# Altium PCB CoinCraftA1.PcbDoc (part 3 of 7) (continued)
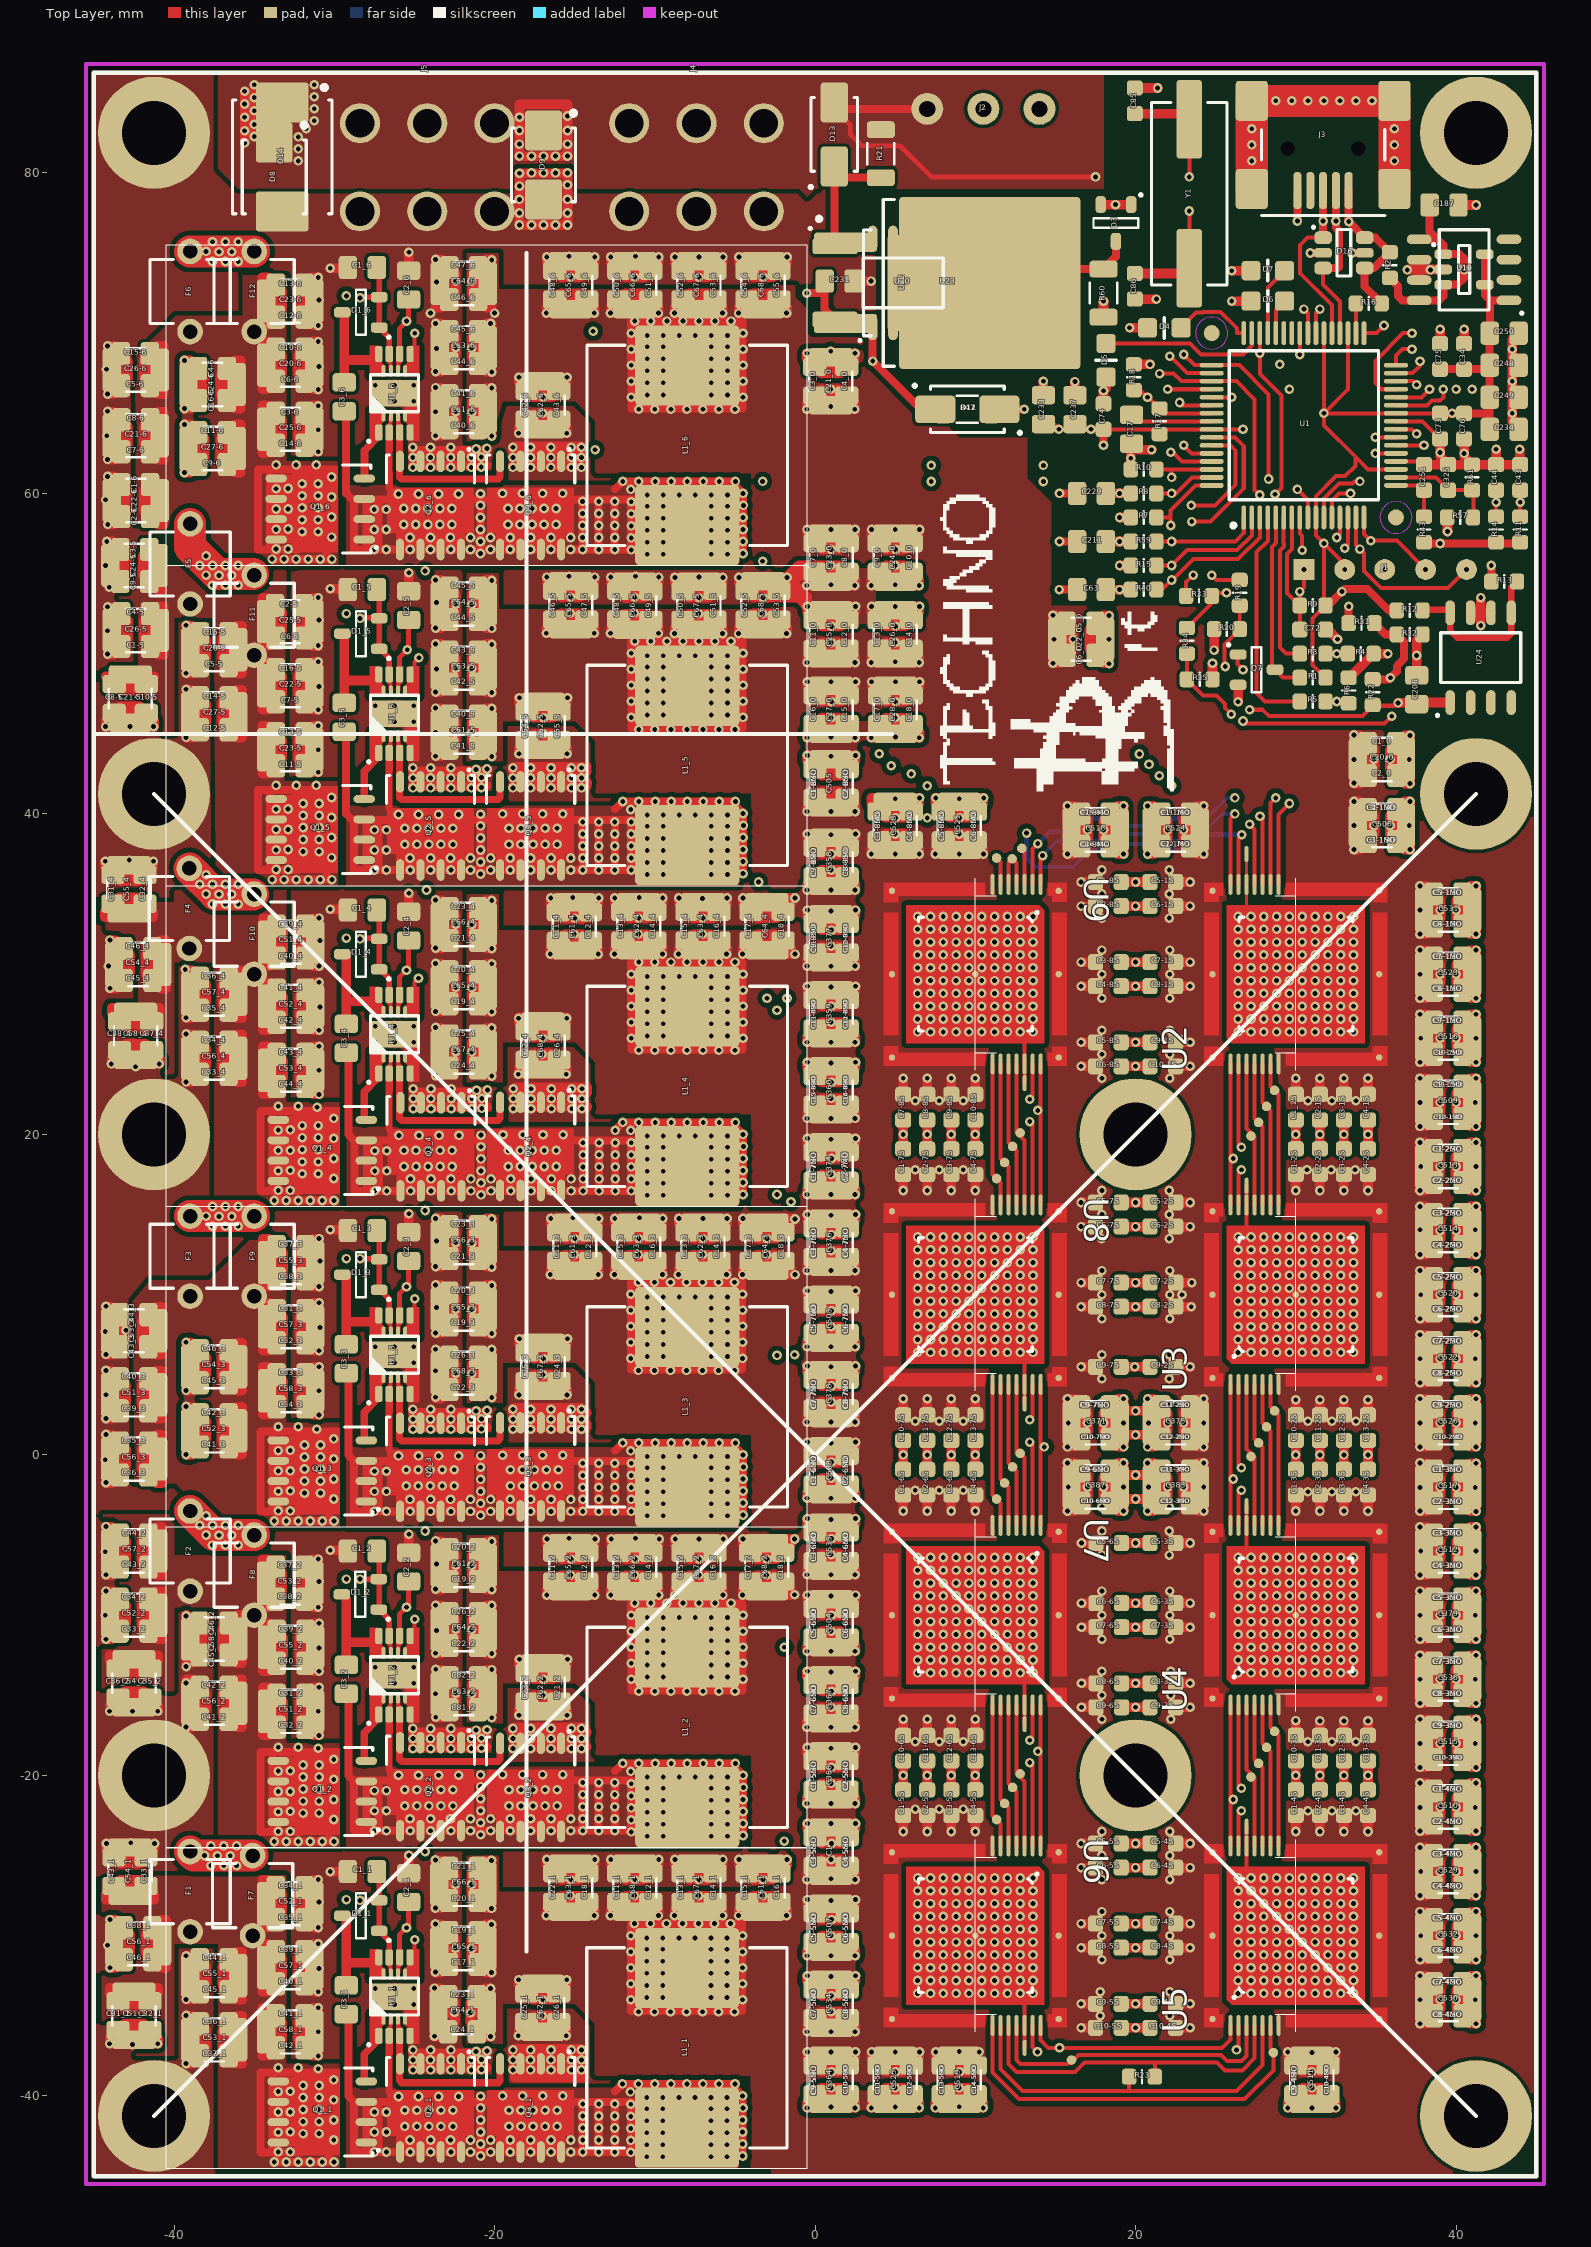
[diagram p0: Top Layer view]
## Nets (pads, with @x,y where several pads share a name; then routed paths per layer and width w, separated by ;. In a path a pad name is that pad's centre, name@x,y a point inside that pad or via, vN(x,y) a via of type N, cw(c..) or ccw(c..) an arc to the next point about the centre after c; other vN are vias at no path point) (continued)
1.8V: C206.2 R22.2 U2.2 U2.18 U3.2 U3.18 U4.2 U4.18 U5.2 U5.18 U6.2 U6.18 U7.2 U7.18 U8.2 U8.18 U9.2 U9.18 U24.1 | length 254.7
  Top Layer w0.25: U6.18@14.075,-35.6 14.075,-36.525 14.55,-37 25.4,-37 25.925,-36.475 U5.2@25.925,-35.6 ; U6.2@14.075,-24.4 U7.18@14.075,-15.6 ; U7.2@14.075,-4.4 U8.18@14.075,4.4 ; U8.2@14.075,15.6 U9.18@14.075,24.4 ; U9.2@14.075,35.6 v1@14.075,37.4 ; U5.18@25.925,-24.4 U4.2@25.925,-15.6 ; U4.18@25.925,-4.4 U3.2@25.925,4.4 ; U3.18@25.925,15.6 U2.2@25.925,24.4 ; U2.18@25.925,35.6 25.925,39.725 v1(26.2,40) ; 27.425,46.5 27.925,46.5 28.325,46.1 34.175,46.1 34.825,46.75 36.205,46.75 v1(36.381,46.925)
  Top Layer w0.6: v1(36.381,46.925) 37.463,46.925 C206.2@37.538,46.85 37.638,46.95 U24.1@39.633,46.95
  Mid-Top Layer w0.25: v1(13.9,-18.5) 15.2,-17.2 15.2,-4.7 13.575,-3.075 13.575,-0.202 14.152,0.375 v1@14.4,0.375 ; v1(13.9,21.5) 15.1,22.7 15.1,36.5 v1(14.2,37.4) ; v1(26.1,-1.5) 25.975,-1.375 25.975,-0.541 26.1,-0.416 26.1,3.7 24.8,5 24.8,15 26.8,17 27.25,17.45 27.25,18.05 26.8,18.5 v1(26.1,18.5) ; v1(26.2,40) 27,40.8 27,45.216 27.325,45.541 v1@27.325,46.4
  Mid-Bottom Layer w0.25: v1(13.9,-18.5) 15.4,-20 15.4,-36.85 v1(15.25,-37) ; v1(13.9,21.5) 15.8,19.6 15.8,4.7 14.9,3.8 14.9,1.1 14.4,0.6 v1@14.4,0.375 ; v1(26.1,-21.5) 26.9,-21.5 27.25,-21.15 27.25,-20.35 25.3,-18.4 25.3,-5.025 25.975,-4.35 25.975,-1.625 v1(26.1,-1.5) ; v1(26.1,18.5) 26.8,18.5 27.294,18.994 27.294,19.806 24.8,22.3 24.8,35.6 25.8,36.6 25.8,39.6 v1(26.2,40)
  Bottom Layer w0.25: v1(14.2,37.4) 15.1,38.3 18.35,38.3 18.801,38.751 21.174,38.751 21.625,38.3 ; 22.4,38.3 21.625,38.3 ; v1(26.2,40) 25.4,40 24.65,39.25 24.149,39.25 23.199,38.3 21.625,38.3
  other v1: 14.3,0.5 27.112,46.5
3.3V: C34.1 C63.1 C73.1 C74.1 C75.1 C76.1 C211.1 C229.1 C233.1 C234.1 C237.1 C248.1 C249.1 C250.1 J1.2 R1.2 R9.2 R12.1 R17.1 U1.10 U1.19 U1.26 U1.35 U1.38 U1.57 U18.4 U18.5 U19.1 | length 129.8
  Top Layer w0.25: C233.1@14.6,64 14.25,64.35 14.865,64.35 v1(15.215,64) v1(17.215,64) ; C237.1@16.1,64 v1(17.215,64) ; v1(26.7,64) U1.57@24.75,64 C74.1@18,64 v1(17.215,64) ; U1.38@31.75,70 v1(31.75,65) ; R1.2@31.85,48.5 31.05,49.3 31.05,52.2 R9.2@31.85,53 31.75,53.1 v1(31.75,56.884) ; v1(33.05,55.25) 33.05,55.584 v1(31.75,56.884) ; U1.35@33.25,70 33.25,66.5 v1(31.75,65) ; U1.19@36.25,61.5 34.5,61.5 33.713,62.287 ; C73.1@39,65 U1.26@36.25,65 v1(31.75,65) ; v1(31.75,56.884) 31.25,57.384 U1.10@31.25,58.5 31.25,59.823 32.502,61.075 33.075,61.075 33.713,61.713 33.713,62.287 ; v1(31.75,65) 31.75,64.25 33.713,62.287
  Top Layer w0.5: v1(15.235,54) C63.1@16.35,54 ; v1(15.25,57) C211.1@16.35,57 ; v1@15.45,60 C229.1@16.35,60 C229.1@16.25,59.9 ; v1(18,63) C74.1@18,64 ; R9.2@32.106,53.256 R9.2@31.85,53 32,53 33.025,54.025 34.475,54.025 35.8,52.7 R12.1@36.3,52.7 ; C75.1@38.999,67.75 41.85,67.75 C248.1@42.1,68 ; C73.1@39,65 C76.1@40.5,65 42.1,65 ; U18.5@41.8,74.925 U18.4@41.8,73.025 41.8,72.376 42.131,72.045 ; C234.1@42.1,64 42.1,65 ; U19.1@43.3,72.045 42.131,72.045 ; 42.1,65 C249.1@42.1,66 C248.1@42.1,68 ; C248.1@42.1,68 C250.1@42.1,70 42.131,70.031 42.131,72.045
  Mid-Top Layer w0.5: v1(15.215,64) 15.235,63.98 v1(15.235,54) ; v1(31.75,65) v1(31.75,56.884) 31.75,55 v1(32.875,53.875)
  Mid-Bottom Layer w0.6: v1(17.215,64) 29,64 30,65 v1(39.75,65)
  other v1: 15.25,60
5.0V: C1_1.2 C1_2.2 C1_3.2 C1_4.2 C1_5.2 C1_6.2 C231.1 D1_1.1 D1_1.2 D1_2.1 D1_2.2 D1_3.1 D1_3.2 D1_4.1 D1_4.2 D1_5.1 D1_5.2 D1_6.1 D1_6.2 D11.1 D12.2 J2.1 R47.1 U1_1.7 U1_2.7 U1_3.7 U1_4.7 U1_5.7 U1_6.7 U20.3 U22.1 U23.3 | length 199.6
  Top Layer w0.35: v1(-28.4,-27.8) D1_1.2@-27.2,-27.8 ; v1(-28.4,-7.75) D1_2.2@-27.2,-7.75 ; v1(-28.4,12.25) D1_3.2@-27.2,12.25 ; v1@-28.4,32.25 D1_4.2@-27.2,32.25 ; v1@-28.4,52.25 D1_5.2@-27.2,52.25 ; v1@-28.4,72.25 D1_6.2@-27.2,72.25 ; C1_1.2@-27.35,-26 -27.2,-26.15 D1_1.2@-27.2,-27.8 ; C1_2.2@-27.2,-6.1 D1_2.2@-27.2,-7.75 ; C1_3.2@-27.2,13.9 D1_3.2@-27.2,12.25 ; C1_4.2@-27.2,33.9 D1_4.2@-27.2,32.25 ; C1_5.2@-27.2,53.9 D1_5.2@-27.2,52.25 ; C1_6.2@-27.2,73.9 D1_6.2@-27.2,72.25 ; U1_1.7@-26.575,-31.35 -26.575,-30.325 D1_1.1@-27.2,-29.7 D1_1.2@-27.2,-27.8 ; U1_2.7@-26.575,-11.3 -26.575,-10.275 -27.2,-9.65 D1_2.2@-27.2,-7.75 ; U1_3.7@-26.575,8.7 -26.575,9.725 -27.2,10.35 D1_3.2@-27.2,12.25 ; U1_4.7@-26.575,28.7 -26.575,29.725 -27.2,30.35 D1_4.2@-27.2,32.25 ; U1_5.7@-26.575,48.7 -26.575,49.725 -27.2,50.35 D1_5.2@-27.2,52.25 ; U1_6.7@-26.575,68.7 -26.575,69.725 D1_6.1@-27.2,70.35 D1_6.2@-27.2,72.25
  Top Layer w0.5: v1(-0.525,72.5) 0.473,72.5 ; C231.1@0.6,73.25 0.6,71.495 U20.3@1.25,70.845 ; U22.1@3.595,70.335 v1(3.595,68.255) 6.6,65.25 D12.2@7.5,65.25 R47.1@8,65.25
  Mid-Top Layer w0.5: v1(-28.4,-27.8) v1(-28.4,-7.75) v1(-28.4,12.25) v1(-28.4,32.2) v1(-28.4,52.2) v1(-28.4,72.2) ; v1(3.595,68.255) 14,78.66 J2.1@14,84
  Mid-Bottom Layer w0.3: v1(-28.4,72.2) -24.722,72.2 -24.422,72.5 v1(-0.525,72.5)
12V: D8.1 D9.1 D13.2 D14.1 F1.1 F2.1 F3.1 F4.1 F5.1 F6.1 F7.1 F8.1 F9.1 F10.1 F11.1 F12.1 J2.3 J4.2 J4.4 J4.6 J5.2 J5.4 J5.6 R21.2 R57.1 | length 197.2
  Top Layer w0.3: D13.2@1.2,84.4 1.2,84.325 1.525,84 1.525,83.675 2.2,83 2.2,82.399 2.899,81.7 5.3,81.7 7.25,79.75 v1(17.5,79.75)
  Top Layer w0.5: D13.2@1.525,84 J2.3@7,84
  Top Layer w0.6: v1(-35.6,81.875) v1(-35.6,83.475) ; v1@-35.6,83.5 v1(-35.6,85.1) ; v1(-35,82.275) v1(-35,83.875) ; v1@-35,83.9 v1(-35,85.5) ; v1@-18.448,82.675 -18.448,84.275 -15.449,84.275 v1(-15.449,81.05) v1(-18.449,81.05) v1(-18.449,82.65) D9.1@-16.949,82.65 ; R57.1@39.448,58.5 39.466,58.482 v1(39.466,57.627)
  Top Layer w2: F4.1@-39.046,36.6 -37.431,34.985 v1(-37.2,34.985) v1(-36.4,34.985) F10.1@-35.086,34.985 ; F1.1@-39,-24.75 -38.75,-25 v1(-38.1,-25) F7.1@-35.1,-25 ; F2.1@-39,-3.5 -37.5,-5 F8.1@-35,-5 ; F3.1@-39,14.9 v1(-38,14.9) F9.1@-35,14.9 ; F5.1@-39,58.1 -39,56.65 -37.325,54.975 F11.1@-35.076,54.975 ; F6.1@-39,75.1 v1(-38,75.1) F12.1@-35,75.1
  Mid-Top Layer w0.3: v1(17.5,79.75) 18.46,79.75 22.408,75.802 25.698,75.802 29,72.5 v1(29,68.05) ; v1(39.466,57.627) 41.25,59.411 41.248,59.413 41.248,65.252 v1(40,66.5)
  Mid-Top Layer w1.6: F4.1@-39.046,36.6 -38.815,36.6 v1(-37.2,34.985) v1(-36.4,34.985) -35.015,34.985 F10.1@-35,35 ; F1.1@-39,-24.75 -38.75,-25 v1(-38.1,-25) F7.1@-35.1,-25 ; F2.1@-39,-3.5 -37.5,-5 F8.1@-35,-5 ; F3.1@-39,14.9 v1(-38,14.9) F9.1@-35,14.9 ; F5.1@-39,58.1 -39,56.685 -37.215,54.9 F11.1@-35,54.9 ; F6.1@-39,75.1 v1(-38,75.1) F12.1@-35,75.1
  Mid-Bottom Layer w0.3: v1(29,68.05) 30.642,66.408 36,66.408 37.167,67.575 39.222,67.575 40,66.797 v1(40,66.5)
  Mid-Bottom Layer w1.6: F4.1@-39.046,36.6 -37.446,35 F10.1@-35,35 ; F1.1@-39,-24.75 -38.75,-25 v1(-38.1,-25) F7.1@-35.1,-25 ; F2.1@-39,-3.5 -37.5,-5 F8.1@-35,-5 ; F3.1@-39,14.9 v1(-38,14.9) F9.1@-35,14.9 ; F5.1@-39,58.1 -39,56.685 -37.215,54.9 F11.1@-35,54.9 ; F6.1@-39,75.1 v1(-38,75.1) F12.1@-35,75.1
  Bottom Layer w1.6: F4.1@-39.046,36.6 -37.446,35 F10.1@-35,35 ; F1.1@-39,-24.75 -38.75,-25 v1(-38.1,-25) F7.1@-35.1,-25 ; F2.1@-39,-3.5 -37.5,-5 F8.1@-35,-5 ; F3.1@-39,14.9 v1(-38,14.9) F9.1@-35,14.9 ; F5.1@-39,58.1 -39,56.685 -37.215,54.9 F11.1@-35,54.9 ; F6.1@-39,75.1 v1(-38,75.1) F12.1@-35,75.1
  other v1: -37.7,-25.625 -36.9,-25.625 -36.1,-25.625 -37.3,-25.015 -36.5,-25.015 -37.7,-24.4 -36.9,-24.4 -36.1,-24.4 -37.6,-5.625 -36.8,-5.625 -36,-5.625 -37.2,-5.015 -36.4,-5.015 -38,-5 -38.4,-4.4 -37.6,-4.4 -36.8,-4.4 -36,-4.4 -38,-3.8 -37.6,14.275 -36.8,14.275 -36,14.275 -37.2,14.885 -36.4,14.885 -37.6,15.5 -36.8,15.5 -36,15.5 -37.6,34.375 -36.8,34.375 -36,34.375 -38,35 -38.4,35.6 -37.6,35.6 -36.8,35.6 -36,35.6 -38,36.2 -37.6,54.275 -36.8,54.275 -36,54.275 -38,54.9 -37.2,54.885 -36.4,54.885 -38.4,55.5 -37.6,55.5 -36.8,55.5 -36,55.5 -38,56.1 -37.6,74.475 -36.8,74.475 -36,74.475 -37.2,75.085 -36.4,75.085 -37.6,75.7 -36.8,75.7 -36,75.7 -32.25,80.75 -17.699,81.05 -16.949,81.05 -16.199,81.05 -32.25,81.5 -18.449,81.8 -15.449,81.8 -32.25,82.25 -35.6,82.625 -15.449,82.65 -31.75,82.75 -35,83.025 -31.25,83.25 -18.448,83.475 -15.449,83.55 -31.25,84 -35.6,84.3 -35,84.7 -31.25,84.75 -31.25,85.5
12VF1: C31_1.1 C32_1.1 C33_1.1 C34_1.1 C35_1.1 C36_1.1 C37_1.1 C38_1.1 C39_1.1 C40_1.1 C41_1.1 C42_1.1 C43_1.1 C44_1.1 C45_1.1 C46_1.1 C51_1.1 C52_1.1 C53_1.1 C54_1.1 C55_1.1 C56_1.1 C57_1.1 C58_1.1 F1.2 F7.2 Q1_1.5 Q1_1.6 Q1_1.7 Q1_1.8 | length 95.8
  Top Layer w0.4: -30.55,-39.245 -30.365,-39.06
  Top Layer w0.5: Q1_1.5@-33.5,-39.095 Q1_1.6@-33.5,-40.365 Q1_1.7@-33.5,-41.635 Q1_1.8@-33.5,-42.905 -33.5,-44.122 -30.365,-44.122 -30.365,-39.06 ; -32.368,-38.525 -33.868,-38.525 ; -32.118,-43.525 -33.868,-43.525 ; -33.868,-43.525 -33.868,-38.525 ; -33.868,-43.525 -34.618,-43.525 -34.618,-38.525 -33.868,-38.525
  Top Layer w0.6: C54_1.1@-42.75,-27.5 -42.75,-26.5 ; C51_1.1@-42.5,-33.5 -42.5,-34.5 ; C56_1.1@-40.75,-30.5 -41.75,-30.5 ; C53_1.1@-36,-36.5 -37,-36.5 ; C55_1.1@-36,-32.5 -37,-32.5 ; C58_1.1@-34.25,-36 -33.25,-36 ; C57_1.1@-34.25,-32 -33.25,-32 ; C52_1.1@-34.25,-28 -33.25,-28 ; -42.75,-26.5 -43.35,-26.5 C43_1.1@-43.75,-26.9 -44.25,-27.4 -44.25,-27.75 -41.25,-27.75 -41.25,-27.4 C33_1.1@-41.75,-26.9 -42.15,-26.5 -42.75,-26.5 ; -42.5,-34.5 -41.9,-34.5 C32_1.1@-41.5,-34.1 -41,-33.6 -41,-33.25 -44,-33.25 -44,-33.6 C31_1.1@-43.5,-34.1 -43.1,-34.5 -42.5,-34.5 ; -41.75,-30.5 -41.75,-29.9 -41.35,-29.5 -40.85,-29 -40.5,-29 -40.5,-32 -40.85,-32 C46_1.1@-41.35,-31.5 -41.75,-31.1 -41.75,-30.5 ; -37,-36.5 -37,-37.1 C37_1.1@-36.6,-37.5 -36.1,-38 -35.75,-38 -35.75,-35 -36.1,-35 C36_1.1@-36.6,-35.5 -37,-35.9 -37,-36.5 ; -37,-32.5 -37,-33.1 C45_1.1@-36.6,-33.5 -36.1,-34 -35.75,-34 -35.75,-31 -36.1,-31 C44_1.1@-36.6,-31.5 -37,-31.9 -37,-32.5 ; -33.25,-36 -33.25,-36.6 C42_1.1@-33.65,-37 -34.15,-37.5 -34.5,-37.5 -34.5,-34.5 -34.15,-34.5 C41_1.1@-33.65,-35 -33.25,-35.4 -33.25,-36 ; -33.25,-32 -33.25,-32.6 C40_1.1@-33.65,-33 -34.15,-33.5 -34.5,-33.5 -34.5,-30.5 -34.15,-30.5 C39_1.1@-33.65,-31 -33.25,-31.4 -33.25,-32 ; -33.25,-28 -33.25,-28.6 C35_1.1@-33.65,-29 -34.15,-29.5 -34.5,-29.5 -34.5,-26.5 -34.15,-26.5 C34_1.1@-33.65,-27 -33.25,-27.4 -33.25,-28
  other v1: -33.75,-44.122 -33,-44.122 -32.25,-44.122 -31.5,-44.122 -30.75,-44.122 -30.018,-44.122 -33.5,-43.495 -32.75,-43.495 -30.036,-42.75 -31.95,-42.35 -30.95,-42.35 -33.5,-42.27 -32.75,-42.245 -31.95,-41.6 -30.95,-41.6 -30.036,-41.5 -33.5,-41 -32.75,-41 -31.95,-40.85 -30.95,-40.85 -30.036,-40.25 -31.95,-40.1 -30.95,-40.1 -33.5,-39.73 -32.75,-39.72 -31.95,-39.35 -30.95,-39.35 -30.036,-39 -31,-38.3 -33.5,-38.245 -32.25,-38.245
12VF2: C31_2.1 C32_2.1 C33_2.1 C34_2.1 C35_2.1 C36_2.1 C37_2.1 C38_2.1 C39_2.1 C40_2.1 C41_2.1 C42_2.1 C43_2.1 C44_2.1 C45_2.1 C46_2.1 C51_2.1 C52_2.1 C53_2.1 C54_2.1 C55_2.1 C56_2.1 C57_2.1 C58_2.1 F2.2 F8.2 Q1_2.5 Q1_2.6 Q1_2.7 Q1_2.8 | length 95.8
  Top Layer w0.4: -30.55,-19.245 -30.365,-19.06
  Top Layer w0.5: Q1_2.5@-33.5,-19.095 Q1_2.6@-33.5,-20.365 Q1_2.7@-33.5,-21.635 Q1_2.8@-33.5,-22.905 -33.5,-24.122 -30.365,-24.122 -30.365,-19.06 ; -32.368,-18.525 -33.868,-18.525 ; -32.118,-23.525 -33.868,-23.525 ; -33.868,-23.525 -33.868,-18.525 ; -33.868,-23.525 -34.618,-23.525 -34.618,-18.525 -33.868,-18.525
  Top Layer w0.6: C54_2.1@-42.5,-12.75 -42.5,-13.75 ; C52_2.1@-41,-10 -42,-10 ; C57_2.1@-41,-6 -42,-6 ; C56_2.1@-36,-15.5 -37,-15.5 ; C58_2.1@-36,-11.487 -37,-11.487 ; C53_2.1@-34.25,-8 -33.25,-8 ; C51_2.1@-34.2,-16 -33.2,-16 ; C55_2.1@-34.2,-12 -33.2,-12 ; -42.5,-13.75 -41.9,-13.75 C35_2.1@-41.5,-13.35 -41,-12.85 -41,-12.5 -44,-12.5 -44,-12.85 C36_2.1@-43.5,-13.35 -43.1,-13.75 -42.5,-13.75 ; -42,-10 -42,-9.4 C34_2.1@-41.6,-9 -41.1,-8.5 -40.75,-8.5 -40.75,-11.5 -41.1,-11.5 C33_2.1@-41.6,-11 -42,-10.6 -42,-10 ; -42,-6 -42,-6.6 C43_2.1@-41.6,-7 -41.1,-7.5 -40.75,-7.5 -40.75,-4.5 -41.1,-4.5 C44_2.1@-41.6,-5 -42,-5.4 -42,-6 ; -37,-15.5 -37,-16.1 C41_2.1@-36.6,-16.5 -36.1,-17 -35.75,-17 -35.75,-14 -36.1,-14 C42_2.1@-36.6,-14.5 -37,-14.9 -37,-15.5 ; -37,-11.487 -37,-12.087 C45_2.1@-36.6,-12.487 -36.1,-12.987 -35.75,-12.987 -35.75,-9.987 -36.1,-9.987 C46_2.1@-36.6,-10.487 -37,-10.887 -37,-11.487 ; -33.25,-8 -33.25,-8.6 C38_2.1@-33.65,-9 -34.15,-9.5 -34.5,-9.5 -34.5,-6.5 -34.15,-6.5 C37_2.1@-33.65,-7 -33.25,-7.4 -33.25,-8 ; -33.2,-16 -33.2,-16.6 C32_2.1@-33.6,-17 -34.1,-17.5 -34.45,-17.5 -34.45,-14.5 -34.1,-14.5 C31_2.1@-33.6,-15 -33.2,-15.4 -33.2,-16 ; -33.2,-12 -33.2,-12.6 C40_2.1@-33.6,-13 -34.1,-13.5 -34.45,-13.5 -34.45,-10.5 -34.1,-10.5 C39_2.1@-33.6,-11 -33.2,-11.4 -33.2,-12
  other v1: -33.75,-24.122 -33,-24.122 -32.25,-24.122 -31.5,-24.122 -30.75,-24.122 -30.018,-24.122 -33.5,-23.495 -32.75,-23.495 -30.036,-22.75 -31.95,-22.35 -30.95,-22.35 -33.5,-22.27 -32.75,-22.245 -31.95,-21.6 -30.95,-21.6 -30.036,-21.5 -33.5,-21 -32.75,-21 -31.95,-20.85 -30.95,-20.85 -30.036,-20.25 -31.95,-20.1 -30.95,-20.1 -33.5,-19.73 -32.75,-19.72 -31.95,-19.35 -30.95,-19.35 -30.036,-19 -31,-18.3 -33.5,-18.245 -32.25,-18.245
12VF3: C31_3.1 C32_3.1 C33_3.1 C34_3.1 C35_3.1 C36_3.1 C37_3.1 C38_3.1 C39_3.1 C40_3.1 C41_3.1 C42_3.1 C43_3.1 C44_3.1 C45_3.1 C46_3.1 C51_3.1 C52_3.1 C53_3.1 C54_3.1 C55_3.1 C56_3.1 C57_3.1 C58_3.1 F3.2 F9.2 Q1_3.5 Q1_3.6 Q1_3.7 Q1_3.8 | length 95.8
  Top Layer w0.4: -30.55,0.755 -30.365,0.94
  Top Layer w0.5: Q1_3.5@-33.5,0.905 Q1_3.6@-33.5,-0.365 Q1_3.7@-33.5,-1.635 Q1_3.8@-33.5,-2.905 -33.5,-4.122 -30.365,-4.122 -30.365,0.94 ; -32.368,1.475 -33.868,1.475 ; -32.118,-3.525 -33.868,-3.525 ; -33.868,-3.525 -33.868,1.475 ; -33.868,-3.525 -34.618,-3.525 -34.618,1.475 -33.868,1.475
  Top Layer w0.6: C56_3.1@-41,-0.25 -42,-0.25 ; C51_3.1@-41,3.75 -42,3.75 ; C53_3.1@-41,7.75 -42,7.75 ; C52_3.1@-36,1.5 -37,1.5 ; C54_3.1@-36,5.5 -37,5.5 ; C58_3.1@-34.2,4 -33.2,4 ; C57_3.1@-34.2,8 -33.2,8 ; C55_3.1@-34.2,12 -33.2,12 ; -42,-0.25 -42,-0.85 C36_3.1@-41.6,-1.25 -41.1,-1.75 -40.75,-1.75 -40.75,1.25 -41.1,1.25 C35_3.1@-41.6,0.75 -42,0.35 -42,-0.25 ; -42,3.75 -42,3.15 C39_3.1@-41.6,2.75 -41.1,2.25 -40.75,2.25 -40.75,5.25 -41.1,5.25 C40_3.1@-41.6,4.75 -42,4.35 -42,3.75 ; -42,7.75 -42,7.15 C43_3.1@-41.6,6.75 -41.1,6.25 -40.75,6.25 -40.75,9.25 -41.1,9.25 C44_3.1@-41.6,8.75 -42,8.35 -42,7.75 ; -37,1.5 -37,0.9 C41_3.1@-36.6,0.5 -36.1,0 -35.75,0 -35.75,3 -36.1,3 C42_3.1@-36.6,2.5 -37,2.1 -37,1.5 ; -37,5.5 -37,4.9 C45_3.1@-36.6,4.5 -36.1,4 -35.75,4 -35.75,7 -36.1,7 C46_3.1@-36.6,6.5 -37,6.1 -37,5.5 ; -33.2,4 -33.2,3.4 C34_3.1@-33.6,3 -34.1,2.5 -34.45,2.5 -34.45,5.5 -34.1,5.5 C33_3.1@-33.6,5 -33.2,4.6 -33.2,4 ; -33.2,8 -33.2,7.4 C32_3.1@-33.6,7 -34.1,6.5 -34.45,6.5 -34.45,9.5 -34.1,9.5 C31_3.1@-33.6,9 -33.2,8.6 -33.2,8 ; -33.2,12 -33.2,11.4 C38_3.1@-33.6,11 -34.1,10.5 -34.45,10.5 -34.45,13.5 -34.1,13.5 C37_3.1@-33.6,13 -33.2,12.6 -33.2,12
  other v1: -33.75,-4.122 -33,-4.122 -32.25,-4.122 -31.5,-4.122 -30.75,-4.122 -30.018,-4.122 -33.5,-3.495 -32.75,-3.495 -30.035,-2.75 -31.865,-2.381 -30.865,-2.381 -33.5,-2.27 -32.75,-2.245 -31.865,-1.631 -30.865,-1.631 -30.035,-1.5 -33.5,-1 -32.75,-1 -31.865,-0.881 -30.865,-0.881 -30.035,-0.25 -31.865,-0.131 -30.865,-0.131 -33.5,0.27 -32.75,0.28 -31.865,0.619 -30.865,0.619 -30.035,1 -31.1,1.6 -33.5,1.755 -32.25,1.755